# Allegro board Learn.brd (continued)
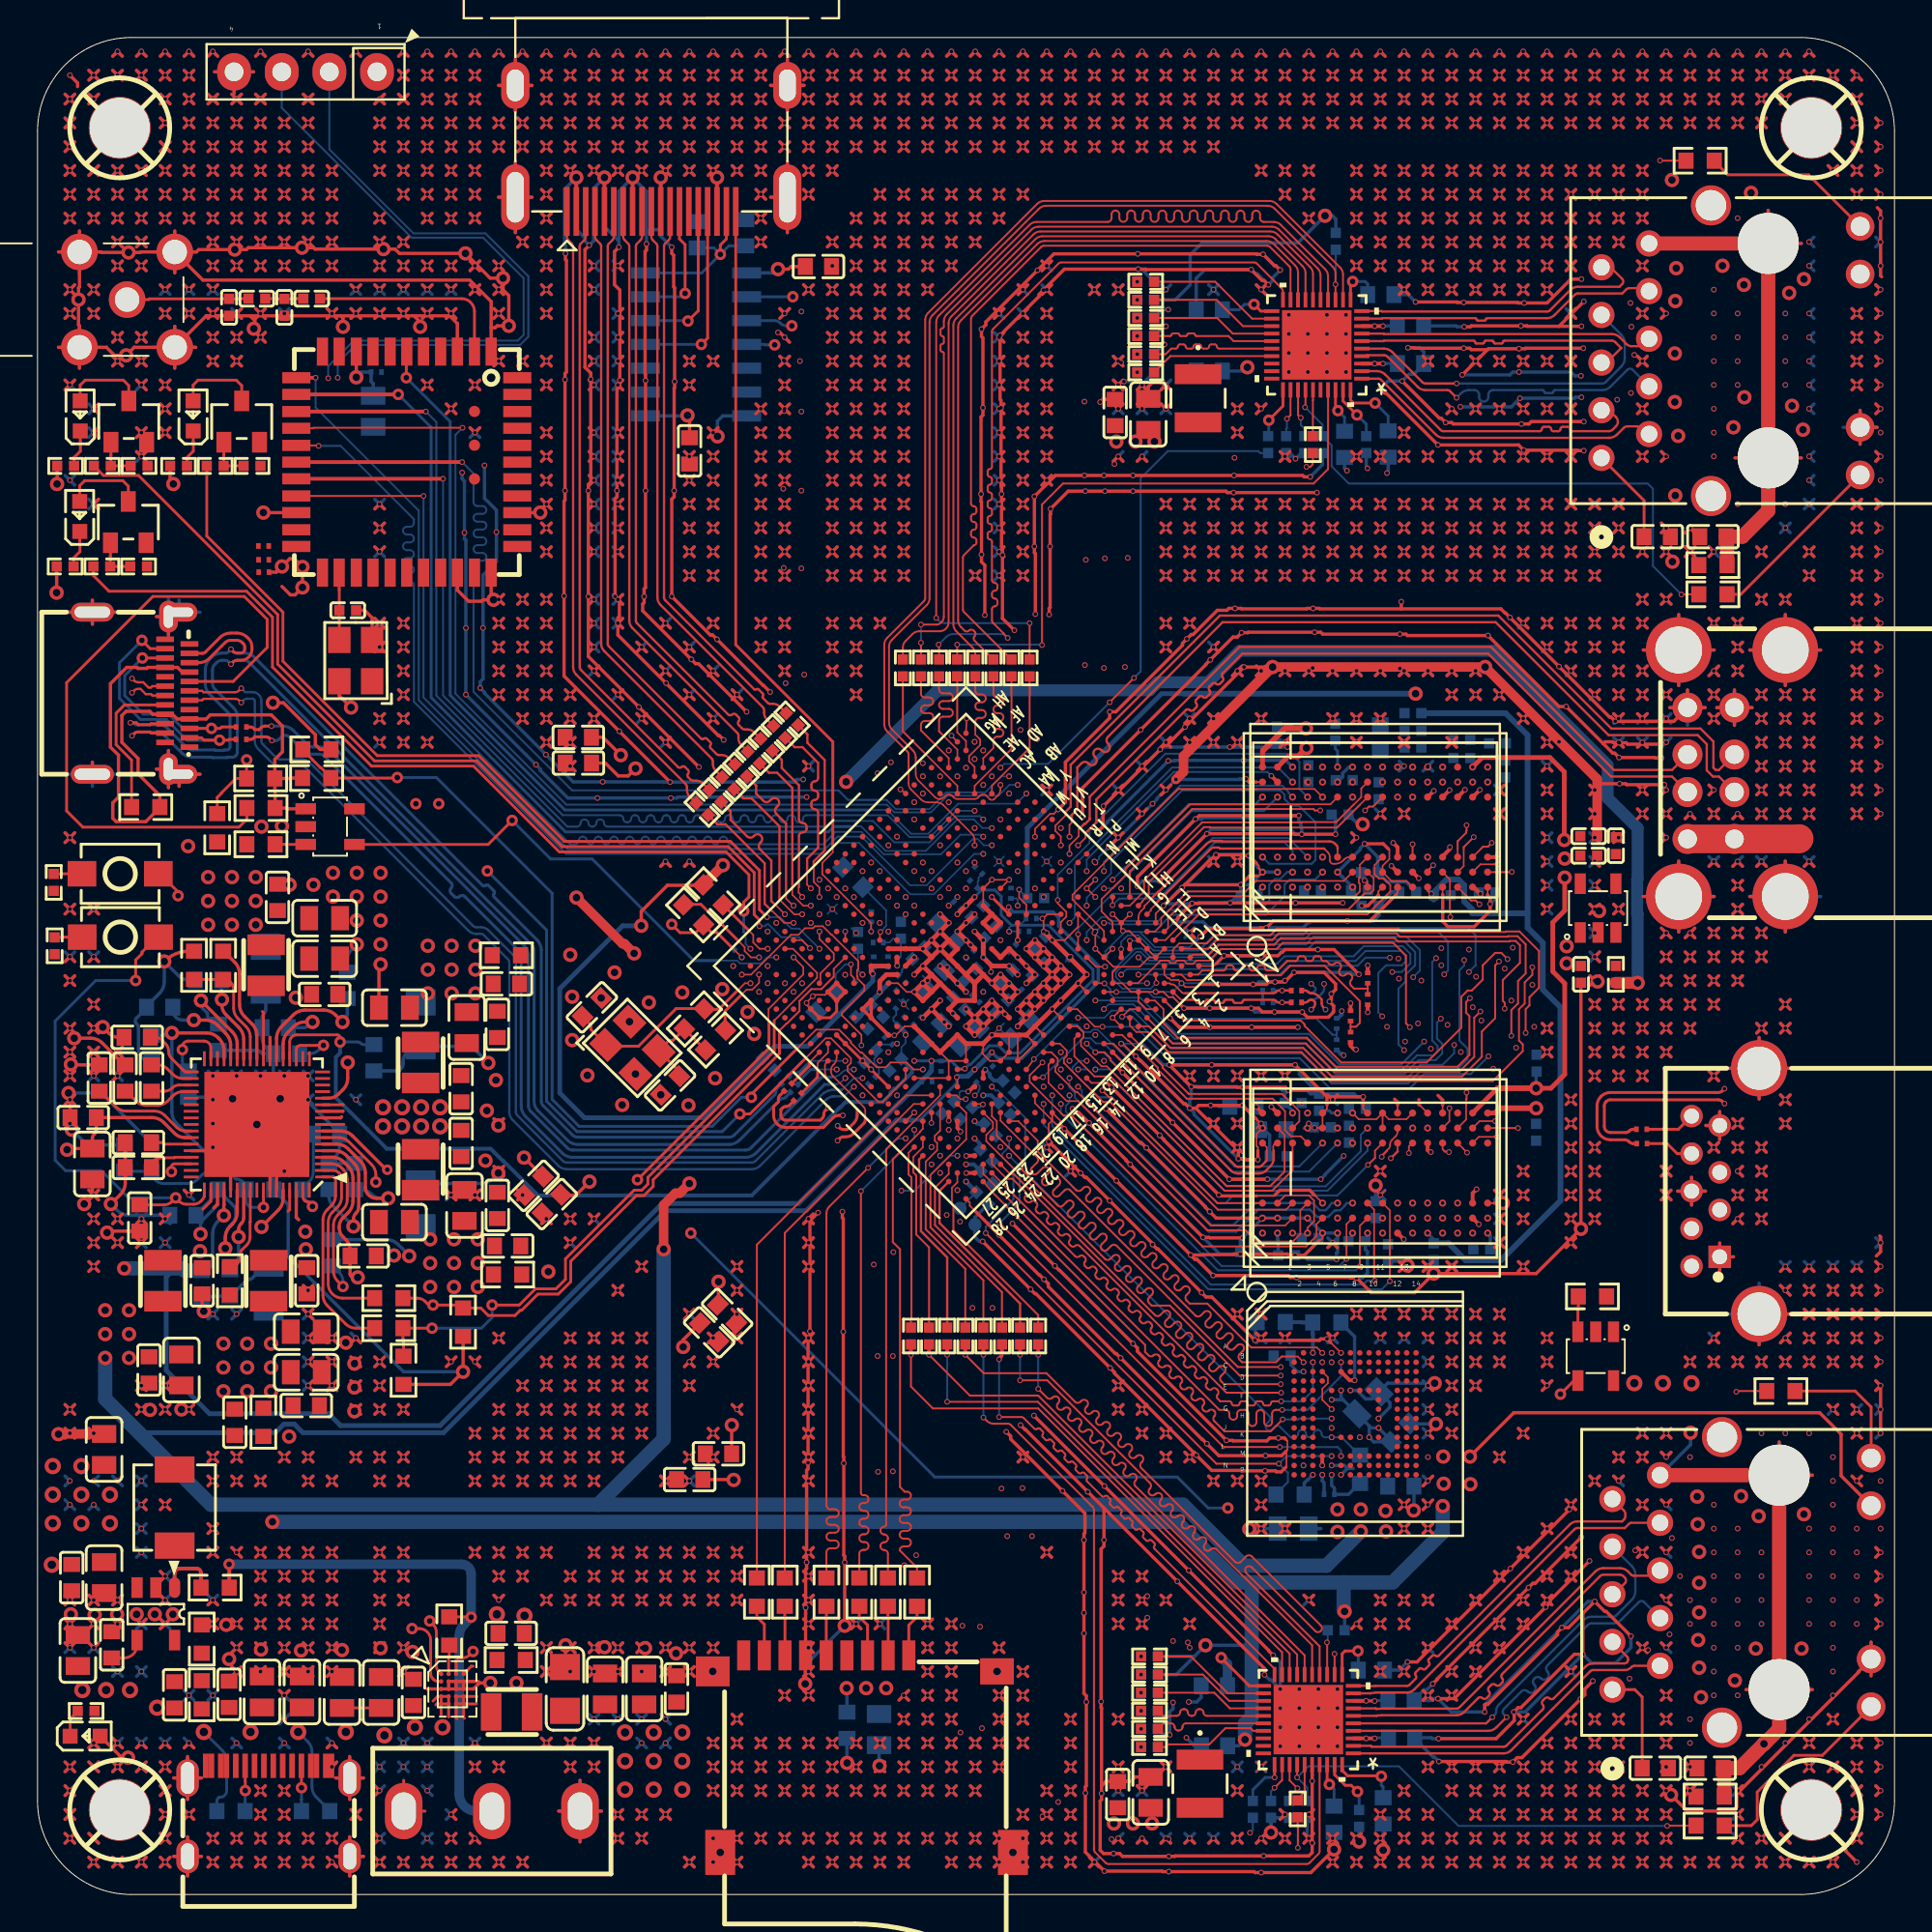
[diagram p0: board, top side]
## Routing (per net, layer and track width the routed paths; a pad name or vN(x,y) marks a point on that pad's centre or on a via; arc(x,y) is an arc through that point) (continued)
HDMI_SCL: length 30.8
  SIG w0.089: v1(46.73,58.22) 46.38,58.22 arc(46.21,58.26) 46.06,58.35 45.58,58.84 arc(45.55,58.89) 45.54,58.94 45.54,59.01
  SIG w0.152: 45.54,59.01 45.54,59.53 arc(45.52,59.61) 45.48,59.68 40.34,64.82 arc(40.24,64.96) 40.21,65.13 v2(40.21,83.62)
  BOTTOM w0.152: v2(40.21,83.62) 39.92,83.62 arc(39.75,83.65) 39.61,83.75 39.59,83.77 arc(39.44,83.86) 39.28,83.9 U16.3
HDMI_SCL_TYPE: length 8.3
  TOP w0.152: J1.15 35.22,84.42 v2(34.67,83.87)
  BOTTOM w0.152: v2(34.67,83.87) 34.65,83.9 U16.12
HDMI_SDA: length 30.9
  SIG w0.089: v1(47.19,58.68) 47.19,58.14 46.89,57.84 45.95,57.84 45.16,58.63
  SIG w0.152: 45.16,58.63 39.32,64.47 39.32,82.58 v2(39.29,82.6)
  BOTTOM w0.152: v2(39.29,82.6) 38.77,82.6 38.74,82.63 U16.4
HDMI_SDA_TYPE: length 10.2
  TOP w0.152: v2(35.38,82.63) 35.72,82.96 J1.16
  BOTTOM w0.152: U16.11 v2(35.38,82.63)
HDMI_SOC_TX0N: length 8.9
  TOP w0.089: 40.59,53.7 40.59,53.69 40.57,53.68 40.57,53.4 40.76,53.21 v1(40.76,53.17)
  TOP w0.124: 40.59,53.7 40.59,56.41 arc(40.65,56.56) 40.79,56.62 arc(40.94,56.68) 41,56.82 41,56.91 arc(40.94,57.05) 40.79,57.11 arc(40.65,57.17) 40.59,57.32 40.59,59.13 39.67,60.04 39.67,60.48 R125.2
HDMI_SOC_TX0P: length 9.2
  TOP w0.089: v1(41.22,52.71) 40.81,52.71 40.23,53.29 40.23,53.7
  TOP w0.124: R124.2 38.99,59.79 39.42,59.79 40.23,58.98 40.23,53.7
HDMI_SOC_TX1N: length 8.7
  TOP w0.089: v1(40.3,52.71) 40.28,52.71 39.9,53.09 39.9,53.37
  TOP w0.124: 39.9,53.37 39.9,57.09 39.39,57.6 arc(39.31,57.78) 39.39,57.95 39.46,58.03 arc(39.46,58.38) 39.11,58.38 39.03,58.3 arc(38.86,58.23) 38.68,58.3 38.31,58.68 38.31,59.11 R123.2
HDMI_SOC_TX1P: length 8.7
  TOP w0.089: v1(40.76,52.25) 40.33,52.25 39.56,53.03
  TOP w0.124: R122.2 37.63,58.43 38.06,58.43 39.55,56.94 39.55,53.04 39.56,53.03
HDMI_SOC_TX2N: length 8.1
  TOP w0.089: v1(39.84,52.25) 39.32,52.77 39.3,52.77
  TOP w0.124: R121.2 36.94,57.75 36.94,57.28 37.82,56.41 arc(37.99,56.33) 38.17,56.41 38.2,56.44 arc(38.55,56.44) 38.55,56.09 38.52,56.06 arc(38.45,55.88) 38.52,55.7 39.11,55.11 39.11,52.95 39.3,52.77
HDMI_SOC_TX2P: length 8.2
  TOP w0.089: 39.05,52.52 39.17,52.4 39.19,52.4 39.8,51.79 v1(40.3,51.79)
  TOP w0.124: R120.2 36.24,57.05 36.68,57.05 38.76,54.97 38.76,52.81 39.05,52.52
HDMI_SOC_TXCLKN: length 10.1
  TOP w0.089: 41.38,54.85 41.38,53.98 41.68,53.67 v1(41.68,53.17)
  TOP w0.124: R127.2 41.04,61.84 41.04,61.39 41.96,60.47 41.96,55.65 41.38,55.07 41.38,54.85
HDMI_SOC_TXCLKP: length 10.1
  TOP w0.089: v1(41.22,53.63) 41.02,53.83 41.02,54.49
  TOP w0.124: 41.02,54.49 41.02,54.52 41.02,54.52 41.02,55.21 41.61,55.8 41.61,57.67 arc(41.56,57.8) 41.43,57.85 arc(41.3,57.9) 41.25,58.03 41.25,58.16 arc(41.3,58.29) 41.43,58.34 arc(41.56,58.4) 41.61,58.52 41.61,58.66 arc(41.56,58.79) 41.43,58.84 arc(41.3,58.89) 41.25,59.02 41.25,59.16 arc(41.3,59.28) 41.43,59.34 arc(41.56,59.39) 41.61,59.51 41.61,60.32 40.77,61.16 40.36,61.16 R126.2
HDMI_TX0N: length 31.5
  TOP w0.124: J1.9 32.22,88.37 arc(32.2,88.27) 32.14,88.18 31.95,87.99 arc(31.91,87.93) 31.9,87.87 31.9,67.91 arc(31.91,67.83) 31.96,67.76 36.82,62.9 arc(36.92,62.86) 37.02,62.9 arc(37.13,62.94) 37.23,62.9 37.37,62.75 arc(37.42,62.65) 37.37,62.55 arc(37.33,62.44) 37.37,62.34 37.56,62.15 arc(37.62,62.12) 37.68,62.1 37.84,62.1 arc(38.03,62.06) 38.19,61.96 R125.1
HDMI_TX0P: length 31.5
  TOP w0.124: J1.7 31.22,88.37 arc(31.24,88.27) 31.3,88.18 31.49,87.99 arc(31.53,87.93) 31.54,87.87 31.54,67.91 arc(31.59,67.69) 31.71,67.51 37.31,61.9 arc(37.35,61.85) 37.36,61.78 37.36,61.62 arc(37.4,61.44) 37.51,61.28 R124.1
HDMI_TX1N: length 32.8
  TOP w0.124: R123.1 36.83,60.59 arc(36.67,60.7) 36.48,60.74 36.32,60.74 arc(36.25,60.75) 36.2,60.79 35.87,61.11 arc(35.84,61.19) 35.87,61.26 arc(35.9,61.34) 35.87,61.41 35.67,61.61 arc(35.59,61.64) 35.52,61.61 35.52,61.61 arc(35.45,61.58) 35.37,61.61 30.46,66.53 arc(30.41,66.6) 30.4,66.68 30.4,87.87 arc(30.41,87.93) 30.45,87.99 30.64,88.18 arc(30.7,88.27) 30.72,88.37 J1.6
HDMI_TX1P: length 32.9
  TOP w0.124: J1.4 29.72,88.37 arc(29.74,88.27) 29.8,88.18 29.99,87.99 arc(30.03,87.93) 30.04,87.87 30.04,66.68 arc(30.09,66.46) 30.21,66.28 35.95,60.54 arc(35.99,60.48) 36,60.42 36,60.26 arc(36.04,60.07) 36.14,59.91 R122.1
HDMI_TX2N: length 34.3
  TOP w0.124: J1.3 29.22,88.37 arc(29.2,88.27) 29.14,88.18 28.95,87.99 arc(28.91,87.93) 28.9,87.86 28.9,87.76 28.9,87.76 28.9,65.42 arc(28.92,65.34) 28.96,65.27 34.14,60.1 arc(34.23,60.06) 34.33,60.1 arc(34.42,60.14) 34.52,60.1 34.68,59.94 arc(34.72,59.84) 34.68,59.75 arc(34.64,59.65) 34.68,59.56 34.81,59.42 arc(34.87,59.39) 34.94,59.37 35.1,59.37 arc(35.3,59.33) 35.47,59.22 R121.1
HDMI_TX2P: length 34.3
  TOP w0.124: R120.1 34.77,58.52 arc(34.66,58.69) 34.62,58.89 34.62,59.05 arc(34.6,59.12) 34.56,59.17 28.71,65.02 arc(28.59,65.21) 28.55,65.42 28.55,87.61 28.54,87.62 28.54,87.86 arc(28.53,87.93) 28.49,87.99 28.3,88.18 arc(28.24,88.27) 28.22,88.37 J1.1
HDMI_TX_AVDD_0V9: length 42.2
  TOP w0.178: v3(16.26,46.51) 15.88,46.88 arc(15.59,47.07) 15.25,47.14 14.26,47.14 arc(13.92,47.07) 13.63,46.88 13,46.25 arc(12.81,45.96) 12.74,45.62 U4.23
  TOP w0.254: U5.V18 v1(46.73,49.95)
  SIG w0.254: v3(16.26,46.51) 24.08,46.51 26.49,48.92 26.49,50.09 27.23,50.83 43.15,50.83 43.31,50.67 46.01,50.67 v1(46.73,49.95)
  BOTTOM w0.089: v1(46.73,49.95) 46.08,49.3 46.08,49.18 C209.1
  BOTTOM w0.178: v3(16.26,46.51) 16.4,46.65 arc(16.48,46.78) 16.51,46.93 C18.1
HDMI_TX_AVDD_1V8: length 52.4
  TOP w0.178: U4.6 15.94,40 arc(16.28,39.93) 16.57,39.74 17.21,39.09 arc(17.41,38.8) 17.48,38.46 17.48,37.7 arc(17.65,37.28) 18.07,37.11 v3(18.69,37.11)
  TOP w0.254: U5.W18 45.81,49.51 v1(45.82,49.5)
  SIG w0.254: v1(45.82,49.5) 45.55,49.77 44.18,49.77 43.54,49.12 43.54,48.36 40.61,45.44 40.61,45.42 40.59,45.39 40.59,44.09 40.26,43.76 40.26,39.4 32.18,31.32 27.38,31.32 24.92,33.78 24.92,35.53 24.1,36.35 19.46,36.35 v3(18.69,37.11)
  BOTTOM w0.089: v1(45.82,49.5) 45.82,49.79 46.02,49.99 C212.1 45.61,50.95 45.41,50.74 C211.1
  BOTTOM w0.178: C44.1 17.25,37.57 arc(17.53,37.51) 17.76,37.36 17.79,37.33 arc(18.03,37.17) 18.32,37.11 v3(18.69,37.11)
HDMI_TXCLKN: length 29.9
  TOP w0.124: R127.1 39.56,63.32 arc(39.4,63.43) 39.21,63.47 39.05,63.47 arc(38.98,63.48) 38.93,63.52 38.67,63.78 arc(38.64,63.84) 38.67,63.89 arc(38.69,63.95) 38.67,64 38.43,64.24 arc(38.37,64.27) 38.32,64.24 arc(38.26,64.22) 38.2,64.24 33.46,68.99 arc(33.41,69.06) 33.4,69.14 33.4,87.87 arc(33.41,87.93) 33.45,87.99 33.64,88.18 arc(33.7,88.27) 33.72,88.37 J1.12
HDMI_TXCLKP: length 30
  TOP w0.124: R126.1 38.87,62.64 arc(38.77,62.8) 38.73,62.99 38.73,63.15 arc(38.72,63.21) 38.68,63.27 33.21,68.74 arc(33.09,68.92) 33.04,69.14 33.04,87.87 arc(33.03,87.93) 32.99,87.99 32.8,88.18 arc(32.74,88.27) 32.72,88.37 J1.10
HOST_WAKE_BT: length 54
  TOP w0.152: U15.6 19.66,82.22 v2(19.66,80.85)
  BOTTOM w0.089: v1(52.71,58.68) 52.17,58.14 49.07,58.14 47.47,56.54 46.56,56.54 45.29,57.81 44.34,57.81
  BOTTOM w0.152: 44.34,57.81 28.11,57.81 22,63.93 22,78.51 v2(19.66,80.85)
I2C0_SCL_PMIC: length 55.9
  TOP w0.089: U5.AF24 40.27,50.41 41.55,49.12 41.55,48.87 39.27,46.58
  TOP w0.152: v2(23.22,12.95) 23.03,12.77 arc(22.86,12.65) 22.65,12.61 22.58,12.61 arc(22.39,12.53) 22.31,12.35 U3.A3 ; 39.27,46.58 39.27,44.96 32.54,38.23 32.54,37.87 32.21,37.54 31.8,37.54 28.14,33.88 28.14,32.79 27.64,32.28 26.54,32.28 25.68,31.42 v2(24.23,31.42) ; R48.1 19.51,29.55 19.48,29.58 R21.1 v2(21.03,30.19)
  SIG w0.152: v2(21.03,30.19) 21.03,27.56 21.74,26.85 21.74,14.43 v2(23.22,12.95)
  BOTTOM w0.152: v2(24.23,31.42) 24.23,30.76 23.66,30.19 v2(21.03,30.19)
I2C0_SDA_PMIC: length 57.6
  TOP w0.089: U5.AB21 42.44,49.34
  TOP w0.104: 39.55,46.05 39.93,46.43 39.95,46.43 40.61,47.09 40.61,47.62 41.25,48.26 41.78,48.26 42.44,48.92 42.44,49.34
  TOP w0.152: v2(19.96,14.17) 20.35,14.17 arc(20.78,13.99) 20.95,13.56 20.95,11.79 arc(20.99,11.63) 21.07,11.5 21.12,11.45 arc(21.23,11.38) 21.35,11.36 U3.B1 ; R20.1 20.24,31.79 arc(20.47,31.74) 20.66,31.61 20.78,31.49 arc(20.86,31.44) 20.95,31.42 v2(21.08,31.42) 22.43,31.42 22.59,31.26 R49.1 23.63,31.26 24.03,30.86 25.45,30.86 25.73,31.14 25.81,31.14 26.67,32 27.76,32 28.42,32.66 28.42,33.76 31.93,37.26 32.33,37.26 32.82,37.74 32.82,38.1 39.55,44.83 39.55,44.96 39.55,46.05
  SIG w0.152: v2(19.96,14.17) 20.32,13.82 21.13,13.82 21.46,14.15 21.46,26.72 20.47,27.71 20.47,30.81 v2(21.08,31.42)
PMIC_EXT: length 43.8
  TOP w0.152: v2(18.03,37.97) 18.03,38.37 arc(17.98,38.66) 17.81,38.91 16.6,40.12 arc(16.35,40.29) 16.06,40.35 U4.7
  SIG w0.089: 40.26,45.29 40.26,45.57 43.05,48.36 v1(43.05,49.02)
  SIG w0.152: v2(18.03,37.97) 18.75,37.97 20.04,36.68 24.26,36.68 25.25,35.69 25.25,33.92 27.52,31.65 32.03,31.65 39.93,39.55 39.93,43.92 40.26,44.25 40.26,45.29
PMIC_SLEEP_H: length 88.5
  TOP w0.089: v1(43.92,45.26) 43.92,45.82 42.87,46.86 42.87,46.99 44.07,48.18 44.07,48.46 43.71,48.82 43.71,48.92 43.69,48.95 43.69,49.28 43.75,49.34 43.75,49.75 42.34,51.16 42.32,51.16 41.86,51.61 41.44,51.61 41.34,51.51 40.91,51.51 40.56,51.16 40.16,51.16 38.03,49.03 v1(37.54,49.03)
  TOP w0.152: v2(7.14,38.53) 7.14,38.79 arc(7.18,38.9) 7.29,38.95 U4.49 ; U3.A1 21.38,11.89 arc(21.29,12.02) 21.26,12.18 21.26,13.99 arc(21.22,14.21) 21.09,14.39 v2(20.9,14.58)
  SIG w0.089: 41.8,43.71 41.81,43.71 41.81,44.07 42.65,44.91 43.56,44.91 v1(43.92,45.26)
  SIG w0.152: 16.62,31.05 20.9,26.77 v2(20.9,14.58) ; 16.62,31.05 13.21,34.47 13.21,36.53 11.2,38.53 v2(7.14,38.53) ; 16.62,31.05 18.35,31.05 20.35,33.05 24.09,33.05 26.91,30.23 32.69,30.23 41.53,39.07 41.53,39.57 41.4,39.7 41.4,43.31 41.8,43.71
PMU_0V9: length 55.5
  TOP w0.152: U4.20 13.79,45.04 arc(13.81,45.12) 13.85,45.18 13.87,45.2 arc(13.94,45.25) 14.01,45.26 v2(15.24,45.26)
  TOP w0.254: U5.V21 44.9,48.68 45.25,49.03 U5.V19
  SIG w0.254: v2(15.24,45.26) 15.24,44.7 17.09,42.85 24.03,42.85 28.02,38.86 32.03,38.86 32.18,38.71 32.21,38.71 34.95,35.97 35.87,35.97 39.6,39.7 39.6,44.07 39.8,44.27 39.8,44.35 39.93,44.48 39.93,45.69 39.95,45.72 39.95,45.75 42.67,48.46 42.67,49.96 42.95,50.24 45.64,50.24 46.2,49.68 46.2,49.33 46,49.12 45.97,49.12 45.23,48.38 45.15,48.38 v1(44.88,48.11)
  BOTTOM w0.089: C153.1 43.8,46.78
  BOTTOM w0.152: v2(15.24,45.26) 15.01,45.03 arc(14.77,44.87) 14.49,44.82 C20.1
  BOTTOM w0.254: C144.1 44.91,48.11 v1(44.88,48.11) ; 43.74,46.73 43.75,46.73 C143.1 44.44,47.6 C154.1
PMUPL_1V8: length 51.1
  TOP w0.178: U4.5 15.84,39.65 arc(16.18,39.58) 16.47,39.39 16.86,39 arc(17.05,38.71) 17.12,38.37 17.12,36.64 arc(17.09,36.48) 16.99,36.33 16.97,36.31 arc(16.87,36.17) 16.84,36 v3(16.84,35.61)
  SIG w0.254: v1(43.98,49.03) 43.98,47.96 40.97,44.96 40.97,43.92 40.64,43.59 40.64,39.22 32.36,30.94 27.21,30.94 24.51,33.64 24.51,35.38 23.93,35.97 18.64,35.97 18.29,35.61 v3(16.84,35.61)
  BOTTOM w0.089: v1(43.98,49.03) 43.73,49.28 C145.1
  BOTTOM w0.178: C42.1 15.53,37.23 arc(15.59,36.94) 15.75,36.7 v3(16.84,35.61)
POWER_EN: length 29.8
  TOP w0.152: R8.2 23.1,14.8 v2(23.11,14.78)
  TOP w0.203: R4.2 10.22,17.59 v2(10.21,17.6)
  BOTTOM w0.508: SW1.2 23.39,4.45 arc(22.75,4.71) 22.48,5.36 22.48,13.75 arc(22.55,14.12) 22.76,14.43 v2(23.11,14.78) 23.11,17.09 arc(22.97,17.45) 22.61,17.6 v2(10.21,17.6)
PWRON_PMIC: length 26.9
  TOP w0.152: C70.1 6.74,36.76 arc(6.97,36.81) 7.17,36.94 v2(7.37,37.13) 7.55,36.95 arc(7.72,36.83) 7.93,36.79 8.32,36.79 arc(8.53,36.84) 8.71,36.95 8.76,37 arc(8.86,37.15) 8.89,37.33 U4.52 ; SW3.2 6.37,51.03 5.57,50.23 5.57,50.15 5.23,49.81 v2(5.23,48.72)
  BOTTOM w0.152: v2(5.23,48.72) 3.1,48.72 0.94,46.56 0.94,39.14 1.5,38.58 3.4,38.58 4.85,37.13 v2(7.37,37.13)
RECOVERY: length 2.8
  BOTTOM w0.089: C155.1 49.52,36.92 49.51,36.92 TP1.1
  BOTTOM w0.203: v1(49.49,38) 49.49,37.98 C155.1 50.04,37.45 v1(49.49,38)
RESET: length 5.5
  TOP w0.152: U4.67 14.14,37.2 arc(14.16,37.1) 14.22,37.01 14.24,36.99 arc(14.33,36.93) 14.44,36.91 14.48,36.91 arc(14.6,36.85) 14.66,36.73 v2(14.66,36.68)
  BOTTOM w0.152: C69.1 14.7,38.53 arc(14.64,38.24) 14.48,37.99 14.09,37.61 R25.2 14.09,37.4 arc(14.12,37.25) 14.2,37.13 v2(14.66,36.68)
RESETR: length 35
  TOP w0.089: 37.03,50.46 v1(37.54,49.95)
  TOP w0.152: 37.03,50.46 36.21,51.28 35.92,51.28 R45.2 35.08,51.27 34.25,51.27 v2(33.81,51.71) ; SW2.2 6.52,54.41 7.49,53.44 v2(7.49,53.24)
  SIG w0.152: v2(33.81,51.71) 32.99,52.53 24,52.53 21.41,55.12 13.87,55.12 12.32,53.57 8.84,53.57 8.51,53.24 v2(7.49,53.24)
SDMMC_CLK: length 28.3
  TOP w0.104: R56.1 42.05,18.24 arc(42.11,18.39) 42.26,18.45 42.5,18.45 arc(42.71,18.66) 42.5,18.87 42.26,18.87 arc(42.05,19.08) 42.26,19.28 42.5,19.28 arc(42.71,19.49) 42.5,19.7 42.26,19.7 arc(42.05,19.91) 42.26,20.12 42.5,20.12 arc(42.71,20.33) 42.5,20.53 42.26,20.53 arc(42.11,20.6) 42.05,20.74 42.05,36.3 arc(42.09,36.5) 42.21,36.67 v1(44.27,38.73)
  BOTTOM w0.089: 45.53,39.99 45.71,40.17 arc(45.85,40.27) 46.02,40.3 v1(46.27,40.3)
  BOTTOM w0.104: v1(44.27,38.73) 45.53,39.99
SDMMC_CMD: length 27.5
  TOP w0.104: v1(43.89,37.49) 43.89,21.41 arc(43.93,21.32) 44.01,21.28 44.09,21.28 arc(44.3,21.08) 44.09,20.87 44.01,20.87 arc(43.81,20.66) 44.01,20.45 44.09,20.45 arc(44.3,20.24) 44.09,20.04 44.01,20.04 arc(43.81,19.83) 44.01,19.62 44.09,19.62 arc(44.3,19.41) 44.09,19.2 44.01,19.2 arc(43.81,18.99) 44.01,18.79 44.09,18.79 arc(44.3,18.58) 44.09,18.37 44.01,18.37 arc(43.87,18.31) 43.81,18.16 R57.1
  BOTTOM w0.089: 45.96,39.56 46.73,40.33 v1(46.73,40.76)
  BOTTOM w0.104: v1(43.89,37.49) 45.96,39.56
SDMMC_D0: length 28.6
  TOP w0.089: 45.04,40.47 46.71,42.14 U5.J25
  TOP w0.104: 45.04,40.47 39.83,35.26 R55.1
SDMMC_D1: length 30.4
  TOP w0.089: U5.J24 46.31,42.6 44.61,40.9
  TOP w0.104: 44.61,40.9 38.34,34.64 R54.1
SDMMC_D2: length 28.9
  TOP w0.089: U5.H26 47.19,40.82 47.04,40.67 47.04,40.64 45.96,39.56
  TOP w0.104: 45.96,39.56 45.59,39.19 45.59,34.77 45.97,34.39 45.97,21.72 46.23,21.47 46.35,21.47 arc(46.56,21.26) 46.35,21.05 46.17,21.05 arc(45.96,20.84) 46.17,20.63 46.35,20.63 arc(46.56,20.43) 46.35,20.22 46.17,20.22 arc(45.96,20.01) 46.17,19.8 46.35,19.8 arc(46.56,19.59) 46.35,19.38 46.17,19.38 arc(45.96,19.18) 46.17,18.97 46.35,18.97 arc(46.56,18.76) 46.35,18.55 46.17,18.55 arc(46.02,18.49) 45.96,18.34 46.88,17.42 R59.1
SDMMC_D3: length 28.2
  TOP w0.089: U5.J23 48.11,42.6 45.51,40
  TOP w0.104: 45.51,40 45.23,39.72 45.23,19.71 arc(45.2,19.64) 45.13,19.61 arc(44.99,19.55) 44.93,19.41 44.93,19.39 arc(44.99,19.25) 45.13,19.19 arc(45.27,19.13) 45.33,18.99 45.33,18.97 arc(45.27,18.83) 45.13,18.78 arc(44.99,18.72) 44.93,18.58 44.93,18.56 arc(44.99,18.42) 45.13,18.36 arc(45.27,18.3) 45.33,18.16 R58.1
TSADC_SHUT: length 5.3
  TOP w0.089: 37.38,50.81 37.69,50.5 37.69,50.29 38.03,49.95 v1(38.46,49.95)
  TOP w0.152: 37.38,50.81 36.4,51.79 36.35,51.79 35.36,52.78 34.46,52.78 R45.1
UART2_RX_DEBUG: length 83.1
  TOP w0.089: v1(43.05,51.33) 43.06,51.33 U5.AC20
  SIG w0.089: v1(43.05,51.33) 42.09,51.33 41.78,51.64 41.55,51.64 41.02,51.1 39.6,51.1 38.91,51.79 38.76,51.79 38.63,51.92 38.45,51.92
  SIG w0.104: v1(16,80.85) 16,62.76 17.78,60.99 21.72,60.99 23.92,58.78 28.42,58.78 35.33,51.87 38.3,51.87 38.35,51.92 38.45,51.92
  BOTTOM w0.104: J2.2 15.56,93.03 20.04,88.55 23.87,88.55 26.16,86.26 26.16,83.03 25.73,82.6 16.96,82.6 16,81.64 v1(16,80.85)
UART2_TX_DEBUG: length 79.6
  SIG w0.089: v1(38.92,51.33) 38.63,51.33 38.61,51.31 37.84,51.31
  SIG w0.104: 37.84,51.31 35.56,51.31 28.32,58.55 23.8,58.55 21.62,60.73 17.68,60.73 15.37,63.05 15.37,80.7 v1(15.49,80.82)
  BOTTOM w0.104: J2.3 13.02,95.24 19.94,88.32 23.75,88.32 25.91,86.16 25.91,83.13 25.6,82.83 16.87,82.83 15.49,81.46 v1(15.49,80.82)
USB2_HOST2_DM: length 41.6
  TOP w0.089: 55.87,56.58 55.85,56.57 55.85,56.31 v1(55.47,55.93)
  TOP w0.124: 55.87,56.58 56.44,57.15 56.44,58.37 61.21,63.14 arc(61.31,63.18) 61.42,63.14 arc(61.52,63.09) 61.62,63.14 61.77,63.28 arc(61.81,63.38) 61.77,63.49 arc(61.72,63.59) 61.77,63.69 61.91,63.84 arc(62.01,63.88) 62.12,63.84 arc(62.22,63.79) 62.33,63.84 62.47,63.98 arc(62.51,64.08) 62.47,64.19 arc(62.43,64.29) 62.47,64.4 62.61,64.54 arc(62.72,64.58) 62.82,64.54 arc(62.92,64.49) 63.03,64.54 63.17,64.68 arc(63.21,64.78) 63.17,64.89 arc(63.13,64.99) 63.17,65.1 64.22,66.14 77.32,66.14 83.88,59.59 87.13,59.59 U19.2
USB2_HOST2_DP: length 41.8
  TOP w0.089: 55.59,56.86 55.5,56.77 55.5,56.41 55.01,55.92 v1(55.01,55.47)
  TOP w0.124: U19.3 87.13,59.94 84.02,59.94 77.47,66.5 64.07,66.5 56.09,58.51 56.09,57.36 56.08,57.35 56.08,57.3 55.85,57.07 55.8,57.07 55.59,56.86
USB2_HOST3_DM: length 48
  TOP w0.089: 55.12,57.34 55.12,57.12 55.01,57.01 v1(55.01,56.39)
  TOP w0.124: 55.12,57.34 55.12,57.53 55.42,57.84 55.42,60.07 55.65,60.3 arc(55.83,60.37) 56,60.3 56.03,60.27 arc(56.38,60.27) 56.38,60.62 56.35,60.65 arc(56.35,61) 56.7,61 56.74,60.97 arc(57.09,60.97) 57.09,61.32 57.06,61.35 arc(56.98,61.53) 57.06,61.7 63.17,67.82 77.72,67.82 83.74,61.8 88.49,61.8 88.98,61.32 88.98,59.92 89.31,59.59 89.63,59.59 U19.6
USB2_HOST3_DP: length 48
  TOP w0.089: 54.79,57.67 54.79,57.51 54.25,56.97 54.25,56.69 54.55,56.4 v1(54.55,55.93)
  TOP w0.124: U19.7 89.63,59.94 89.45,59.94 89.33,60.07 89.33,61.46 88.64,62.15 83.89,62.15 77.87,68.17 63.02,68.17 55.07,60.22 55.07,57.98 54.79,57.7 54.79,57.67
USB3_HOST1_DM: length 77
  SIG w0.089: 52.8,39.68 52.8,39.71 52.82,39.72 52.82,43.78 arc(52.81,43.83) 52.78,43.87 51.49,45.16 arc(51.45,45.19) 51.4,45.2 47,45.2 arc(46.95,45.19) 46.91,45.16 46.45,44.71 arc(46.31,44.61) 46.14,44.58 45.62,44.58 arc(45.54,44.56) 45.47,44.52 45.46,44.51 arc(45.4,44.46) 45.32,44.45 44.91,44.45 v1(44.9,44.44)
  SIG w0.124: 52.8,39.68 52.8,38.83 arc(52.84,38.66) 52.93,38.52 56.08,35.36 arc(56.1,35.33) 56.11,35.3 56.11,26.17 arc(56.15,26) 56.24,25.85 64.07,18.02 arc(64.25,17.9) 64.47,17.86 74.87,17.86 arc(75.04,17.89) 75.19,17.99 82.06,24.86 arc(82.16,25) 82.19,25.17 82.19,31.06 arc(82.2,31.09) 82.22,31.12 85.5,34.4 arc(85.64,34.46) 85.79,34.4 85.79,34.4 arc(85.94,34.34) 86.09,34.4 86.14,34.45 arc(86.21,34.6) 86.14,34.75 arc(86.08,34.9) 86.14,35.05 86.2,35.1 arc(86.35,35.16) 86.49,35.1 arc(86.64,35.04) 86.79,35.1 86.85,35.16 arc(86.91,35.3) 86.85,35.45 86.85,35.45 arc(86.78,35.6) 86.85,35.75 87.46,36.36 arc(87.6,36.46) 87.77,36.49 U21.2
USB3_HOST1_DP: length 77.1
  SIG w0.089: 53.15,39.68 53.15,39.71 53.14,39.72 53.14,43.78 arc(53.1,43.95) 53.01,44.1 51.72,45.39 arc(51.57,45.48) 51.4,45.52 47,45.52 arc(46.83,45.48) 46.68,45.39 46.23,44.93 arc(46.19,44.91) 46.14,44.9 v1(45.36,44.9)
  SIG w0.124: 53.15,39.68 53.15,38.83 arc(53.16,38.8) 53.18,38.77 56.33,35.61 arc(56.43,35.47) 56.46,35.3 56.46,26.17 arc(56.47,26.13) 56.49,26.1 64.32,18.27 arc(64.39,18.22) 64.47,18.21 74.87,18.21 arc(74.91,18.22) 74.94,18.24 81.81,25.11 arc(81.83,25.14) 81.84,25.17 81.84,31.06 arc(81.87,31.23) 81.97,31.37 87.12,36.52 arc(87.22,36.67) 87.25,36.84 87.25,38.07 arc(87.37,38.37) 87.67,38.49 U21.3
USB3_HOST1_SSRXN: length 109
  TOP w0.089: 44.12,41.39 44.12,41.76 arc(44.1,41.89) 44.03,42 42.41,43.61 arc(42.32,43.74) 42.29,43.9 42.29,43.92 arc(42.32,44.08) 42.41,44.22 42.45,44.25 arc(42.56,44.42) 42.6,44.61 U5.U27
  TOP w0.158: C230.1 85.04,40.79 arc(84.94,40.77) 84.86,40.71 84.84,40.69 arc(84.75,40.63) 84.65,40.61 83.85,40.61 arc(83.61,40.71) 83.52,40.94 83.52,42.04 arc(83.54,42.16) 83.6,42.25 83.62,42.27 arc(83.72,42.34) 83.84,42.36 89.59,42.36 arc(89.71,42.34) 89.81,42.27 v1(89.92,42.16) ; v1(42.65,40.18) 42.78,40.32 arc(42.86,40.37) 42.94,40.39 43.1,40.39 arc(43.31,40.43) 43.49,40.55 44.06,41.12 arc(44.11,41.19) 44.12,41.27 44.12,41.39
  SIG w0.089: 51.66,38.36 51.64,38.37 51.6,38.37 51.09,38.88 arc(50.99,39.03) 50.95,39.21 50.95,41.46 arc(50.99,41.64) 51.09,41.8 51.58,42.29 arc(51.77,42.74) 51.58,43.2 51.32,43.46 arc(51.09,43.62) 50.81,43.68 49.87,43.68 arc(49.57,43.62) 49.31,43.44 48.3,42.43 arc(48.14,42.33) 47.96,42.29 46.12,42.29 arc(45.82,42.23) 45.56,42.06 44.54,41.04 44.49,41.04 44.48,41.03
  SIG w0.158: v1(42.65,40.18) 42.51,40.32 arc(42.44,40.37) 42.35,40.39 42.29,40.39 arc(42.22,40.37) 42.17,40.34 42.14,40.31 arc(42.11,40.25) 42.09,40.19 42.09,40.09 arc(42.11,39.99) 42.17,39.9 42.2,39.88 arc(42.28,39.82) 42.38,39.8 43.09,39.8 arc(43.24,39.83) 43.37,39.92 44.48,41.03 ; v1(89.92,42.16) 90.06,42.29 arc(90.13,42.34) 90.22,42.36 90.26,42.36 arc(90.34,42.34) 90.42,42.3 92.41,40.3 arc(92.5,40.17) 92.53,40.01 92.53,35.22 arc(92.5,35.06) 92.41,34.93 88.85,31.37 arc(88.63,31.28) 88.41,31.37 88.18,31.6 arc(87.73,31.6) 87.73,31.15 87.96,30.93 arc(87.96,30.48) 87.51,30.48 87.28,30.7 arc(86.84,30.7) 86.84,30.26 86.87,30.22 arc(87.04,29.81) 86.87,29.39 86.55,29.07 arc(86.42,28.99) 86.27,28.96 85.56,28.96 arc(85.25,28.9) 85,28.72 84.28,28.01 arc(84.11,27.75) 84.05,27.45 84.05,25.56 arc(84.02,25.4) 83.93,25.27 75.64,16.98 arc(75.51,16.9) 75.36,16.87 64.02,16.87 arc(63.87,16.9) 63.74,16.98 55.22,25.5 arc(55.13,25.64) 55.1,25.79 55.1,34.66 arc(55.05,34.9) 54.92,35.1 51.66,38.36
USB3_HOST1_SSRXP: length 108.9
  TOP w0.089: U5.U28 42.05,44.35 arc(41.99,44.26) 41.97,44.16 41.97,43.9 arc(42.03,43.62) 42.19,43.38 43.69,41.88 43.69,41.82
  TOP w0.158: C229.1 85.06,40.03 arc(84.94,40.05) 84.85,40.12 84.82,40.14 arc(84.72,40.2) 84.61,40.23 83.85,40.23 arc(83.34,40.44) 83.13,40.94 83.13,42.04 arc(83.18,42.3) 83.33,42.52 83.35,42.55 arc(83.57,42.7) 83.84,42.75 89.4,42.75 89.59,42.75 arc(89.71,42.77) 89.81,42.84 v1(89.92,42.95) ; 43.69,41.82 43.69,41.54 arc(43.65,41.32) 43.52,41.12 43.21,40.82 arc(43.16,40.79) 43.1,40.77 42.98,40.77 arc(42.86,40.8) 42.76,40.86 v1(42.65,40.98)
  SIG w0.089: 51.39,38.08 51.37,38.1 51.37,38.15 50.87,38.65 arc(50.7,38.91) 50.64,39.21 50.64,41.46 arc(50.7,41.76) 50.87,42.02 51.36,42.51 arc(51.46,42.74) 51.36,42.98 51.1,43.24 arc(50.96,43.33) 50.81,43.36 49.87,43.36 arc(49.69,43.32) 49.54,43.22 48.52,42.21 arc(48.27,42.03) 47.96,41.97 46.12,41.97 arc(45.94,41.94) 45.79,41.83 44.77,40.81 44.77,40.76 44.76,40.76
  SIG w0.158: 44.76,40.76 43.65,39.65 arc(43.39,39.48) 43.09,39.41 42.38,39.41 arc(42.13,39.46) 41.92,39.6 41.9,39.63 arc(41.76,39.84) 41.71,40.09 41.71,40.19 arc(41.75,40.4) 41.87,40.58 41.9,40.61 arc(42.08,40.73) 42.29,40.77 42.35,40.77 arc(42.44,40.79) 42.51,40.84 v1(42.65,40.98) ; 51.39,38.08 54.64,34.83 arc(54.69,34.75) 54.71,34.66 54.71,25.79 arc(54.77,25.49) 54.94,25.23 63.46,16.71 arc(63.72,16.54) 64.02,16.48 75.36,16.48 arc(75.66,16.54) 75.92,16.71 84.2,25 arc(84.38,25.25) 84.44,25.56 84.44,27.45 arc(84.47,27.6) 84.55,27.73 85.27,28.45 arc(85.4,28.54) 85.56,28.57 86.27,28.57 arc(86.57,28.63) 86.83,28.8 92.69,34.66 arc(92.86,34.92) 92.92,35.22 92.92,40.01 arc(92.86,40.31) 92.69,40.57 90.69,42.57 arc(90.49,42.7) 90.26,42.75 90.24,42.75 arc(90.13,42.77) 90.04,42.83 v1(89.92,42.95)
USB3_HOST1_SSTXN: length 82.7
  TOP w0.158: C226.2 40.08,42.07 arc(40,42.02) 39.92,42 39.89,42 arc(39.8,41.98) 39.73,41.94 39.62,41.83 39.62,41.52 arc(39.64,41.43) 39.69,41.37 39.71,41.34 arc(39.78,41.29) 39.86,41.27 41.73,41.27 41.83,41.38 arc(41.89,41.46) 41.91,41.57 41.91,41.6 arc(41.93,41.7) 41.99,41.79 v1(42.14,41.94)
  SIG w0.089: 43.95,42.01 44.15,42.01 arc(44.31,42.04) 44.45,42.13 45.54,43.22 45.54,43.23 47.29,43.23 arc(47.34,43.24) 47.38,43.27 48.65,44.54 arc(48.79,44.63) 48.97,44.67 50.69,44.67 50.75,44.6 51.43,44.6 arc(51.6,44.57) 51.74,44.47 52.27,43.95 arc(52.37,43.8) 52.4,43.63 52.4,39.02 52.43,38.99 52.43,38.96
  SIG w0.158: 43.95,42.01 43.21,42.01 arc(43.13,42.02) 43.05,42.07 43.01,42.12 arc(42.94,42.16) 42.85,42.18 42.73,42.18 42.71,42.16 42.46,42.16 arc(42.37,42.14) 42.3,42.09 v1(42.14,41.94) ; 52.43,38.96 52.43,38.61 arc(52.44,38.57) 52.46,38.55 55.7,35.31 arc(55.8,35.16) 55.84,34.97 55.84,25.9 arc(55.84,25.87) 55.86,25.84 64.09,17.61 arc(64.12,17.59) 64.15,17.58 75.14,17.58 arc(75.17,17.59) 75.2,17.61 82.88,25.29 arc(82.9,25.31) 82.91,25.35 82.91,30.42 arc(82.94,30.6) 83.05,30.75 84.08,31.79 arc(84.15,31.96) 84.08,32.13 arc(84.01,32.3) 84.08,32.47 84.19,32.58 arc(84.36,32.65) 84.53,32.58 arc(84.7,32.51) 84.87,32.58 84.98,32.69 arc(85.05,32.86) 84.98,33.03 arc(84.91,33.2) 84.98,33.37 85.09,33.47 arc(85.26,33.54) 85.43,33.47 arc(85.6,33.4) 85.77,33.47 86.98,34.68 87.18,34.68 arc(87.35,34.72) 87.49,34.81 U21.8
USB3_HOST1_SSTXP: length 82.4
  TOP w0.158: v1(42.93,41.53) 42.71,41.53 arc(42.55,41.5) 42.41,41.4 41.89,40.89 39.86,40.89 arc(39.64,40.93) 39.44,41.06 39.41,41.09 arc(39.28,41.29) 39.24,41.52 39.24,41.99 39.49,42.25 39.49,42.41 arc(39.51,42.51) 39.57,42.6 C225.2
  SIG w0.089: 52.05,38.96 52.05,38.99 52.08,39.02 52.08,43.63 arc(52.07,43.68) 52.05,43.72 51.52,44.25 arc(51.48,44.28) 51.43,44.28 50.62,44.28 50.55,44.35 48.97,44.35 arc(48.92,44.34) 48.87,44.31 47.61,43.04 arc(47.46,42.95) 47.29,42.91 45.87,42.91 arc(45.7,42.88) 45.55,42.78 44.47,41.7 arc(44.39,41.64) 44.29,41.63 44.09,41.63
  SIG w0.158: v1(42.93,41.53) 43.2,41.53 arc(43.24,41.54) 43.28,41.56 43.3,41.59 arc(43.34,41.61) 43.38,41.62 44.08,41.62 44.09,41.63 ; 52.05,38.96 52.05,38.61 arc(52.08,38.43) 52.19,38.27 55.42,35.04 arc(55.44,35.01) 55.45,34.97 55.45,25.9 arc(55.48,25.72) 55.59,25.57 63.82,17.34 arc(63.97,17.23) 64.15,17.2 75.14,17.2 arc(75.32,17.23) 75.48,17.34 83.15,25.01 arc(83.26,25.17) 83.29,25.35 83.29,30.42 arc(83.3,30.45) 83.32,30.48 87.14,34.3 87.26,34.3 arc(87.35,34.28) 87.43,34.23 U21.9